# Altium PCB Main.PcbDoc (part 1 of 2) (continued)
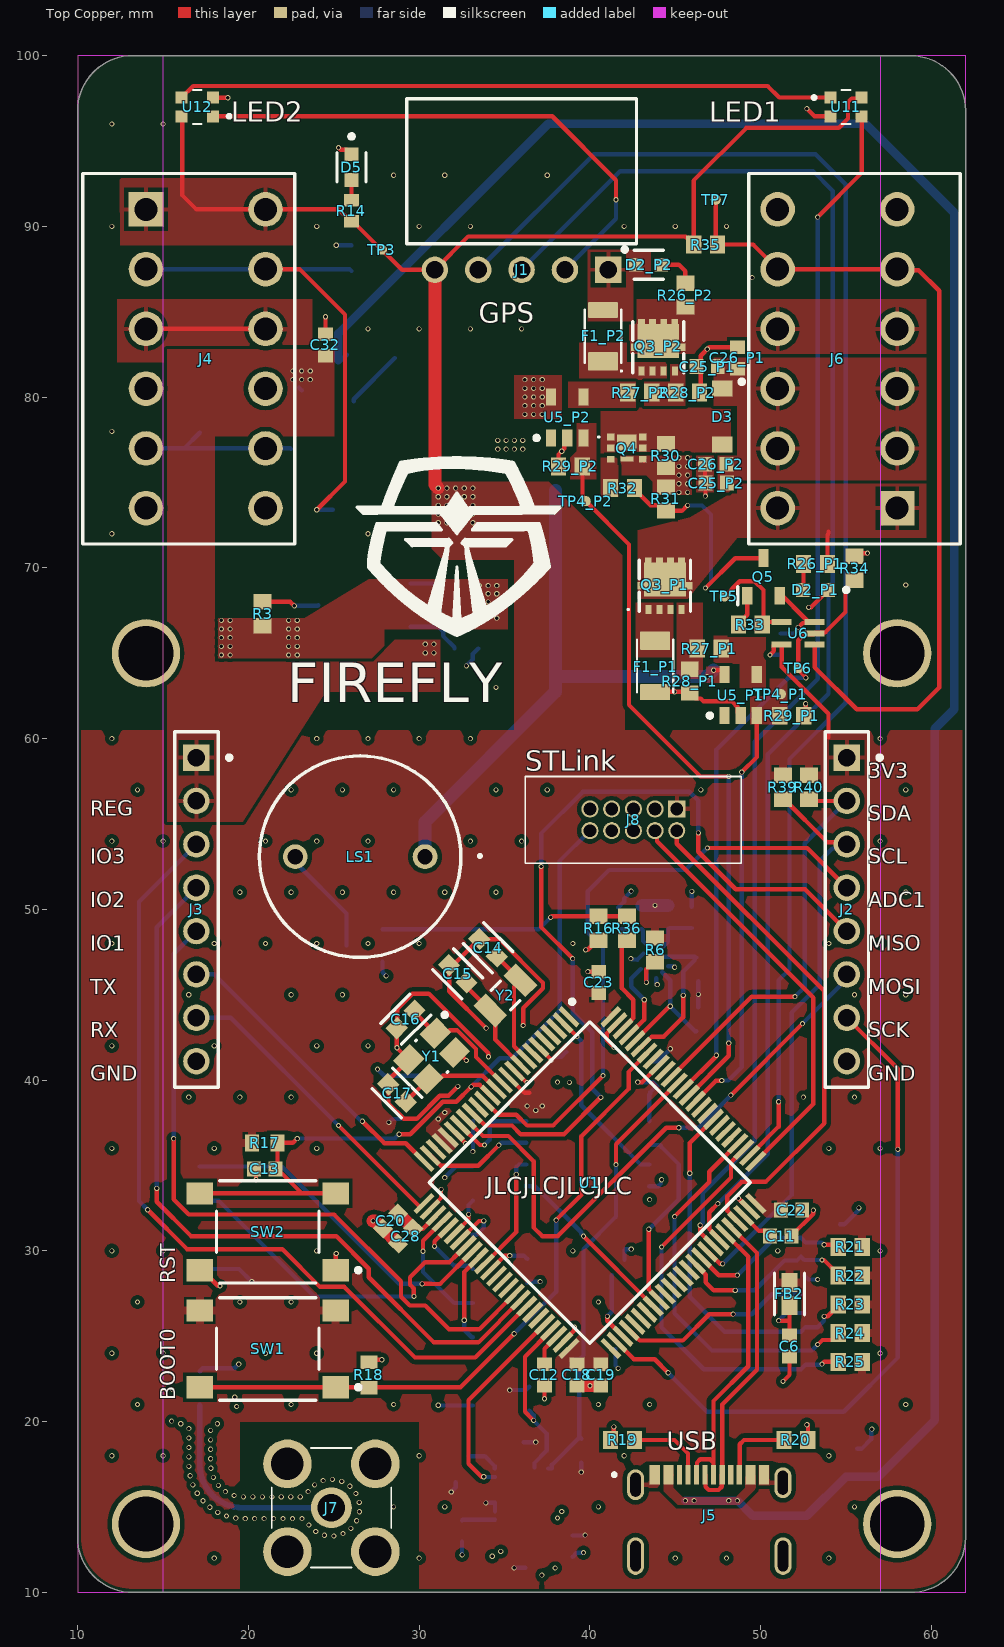
[diagram p0: Top Copper view]
## Components (designator, comment, footprint, x,y, rotation, side; value= is the part's Value field where it differs from the comment) (continued)
Q3_P2 "AON7544" AON7544 43.998,82.934 r0 top (schematic designator Q3)
Q4 "SSM6J507NU" SSM6J507NULF 42.164,77.018 r270 top
Q5 "PMBT3904,215" SOT95P230X110-3N 50.165,69.469 r90 top
R1 "Generic-Resistor" RESC1609X50X30ML8T20 31.623,68.961 r180 bottom value=10k
R2 "Generic-Resistor" RESC1609X50X30ML8T20 31.877,67.691 r180 bottom value=487k
R3 "Generic-Resistor" RESC1609X50X30ML8T20 20.828,67.31 r270 top value=10k
R4 "Generic-Resistor" RESC1609X50X30ML8T20 44.577,49.53 r90 bottom value=10R
R5 "Generic-Resistor" RESC1609X50X30ML8T20 43.044,49.53 r90 bottom value=10R
R6 "Generic-Resistor" RESC1609X50X30ML8T20 43.815,47.625 r90 top value=10k
R7 "Generic-Resistor" RESC1609X50X30ML8T20 32.512,17.145 r90 bottom value=2.2k
R8 "Generic-Resistor" RESC1609X50X30ML8T20 35.433,18.796 r180 bottom value=2.2k
R9 "Generic-Resistor" RESC1609X50X30ML8T20 46.355,43.561 r270 bottom value=2.2k
R10 "Generic-Resistor" RESC1609X50X30ML8T20 46.355,46.482 r90 bottom value=2.2k
R11 "Generic-Resistor" RESC1609X50X30ML8T20 39.497,18.288 r90 bottom value=2.2k
R12 "Generic-Resistor" RESC1609X50X30ML8T20 36.449,21.336 r270 bottom value=2.2k
R13 "Generic-Resistor" RESC1609X50X30ML8T20 43.688,40.386 r90 bottom value=10k
R14 "220R" FP-CRCW0603-e3-IPC_C 26.035,90.932 r270 top
R15 "10K" RESC1608X55X25ML10T15 26.035,88.138 r270 bottom value=10k
R16 "Generic-Resistor" RESC1609X50X30ML8T20 40.513,48.895 r90 top value=10k
R17 "0603WAF1002T5E" RESC1608X55X25ML10T15 20.955,36.322 r180 top value=10k
R18 "0603WAF1002T5E" RESC1608X55X25ML10T15 27.051,22.733 r270 top value=10k
R19 "Generic-Resistor" RESC1609X50X30ML8T20 41.91,18.923 r180 top value=5.1k
R20 "Generic-Resistor" RESC1609X50X30ML8T20 52.07,18.923 r0 top value=5.1k
R21 "Generic-Resistor" RESC1609X50X30ML8T20 55.245,30.226 r0 top value=10k
R22 "Generic-Resistor" RESC1609X50X30ML8T20 55.245,28.543 r0 top value=10k
R23 "Generic-Resistor" RESC1609X50X30ML8T20 55.245,26.86 r0 top value=10k
R24 "Generic-Resistor" RESC1609X50X30ML8T20 55.245,25.178 r0 top value=10k
R25 "Generic-Resistor" RESC1609X50X30ML8T20 55.245,23.495 r0 top value=10k
R26_P1 "Generic-Resistor" RESC1609X50X30ML8T20 53.213,70.231 r0 top value=43k (schematic designator R26)
R26_P2 "Generic-Resistor" RESC1609X50X30ML8T20 45.593,85.979 r270 top value=43k (schematic designator R26)
R27_P1 "Generic-Resistor" RESC1609X50X30ML8T20 46.99,65.278 r0 top value=270R (schematic designator R27)
R27_P2 "Generic-Resistor" RESC1609X50X30ML8T20 42.926,80.264 r180 top value=270R (schematic designator R27)
R28_P1 "Generic-Resistor" RESC1609X50X30ML8T20 45.847,63.373 r90 top value=10k (schematic designator R28)
R28_P2 "Generic-Resistor" RESC1609X50X30ML8T20 45.72,80.264 r180 top value=10k (schematic designator R28)
R29_P1 "Generic-Resistor" RESC1609X50X30ML8T20 51.816,61.341 r180 top value=10k (schematic designator R29)
R29_P2 "Generic-Resistor" RESC1609X50X30ML8T20 38.862,75.946 r0 top value=10k (schematic designator R29)
R30 "Generic-Resistor" RESC1609X50X30ML8T20 44.45,76.581 r90 top value=10k
R31 "Generic-Resistor" RESC1609X50X30ML8T20 44.45,74.041 r90 top value=10k
R32 "Generic-Resistor" RESC1609X50X30ML8T20 41.91,74.676 r0 top value=1k
R33 "Generic-Resistor" RESC1609X50X30ML8T20 49.403,66.675 r0 top value=1k
R34 "Generic-Resistor" RESC1609X50X30ML8T20 55.499,69.977 r270 top value=1k
R35 "Generic-Resistor" RESC1609X50X30ML8T20 46.776,88.942 r0 top value=10k
R36 "Generic-Resistor" RESC1609X50X30ML8T20 42.164,48.895 r90 top value=270R
R37 "Generic-Resistor" RESC1609X50X30ML8T20 32.766,65.278 r0 bottom value=100k
R38 "Generic-Resistor" RESC1609X50X30ML8T20 36.322,28.829 r90 bottom value=10k
R39 "Generic-Resistor" RESC1609X50X30ML8T20 51.308,57.15 r270 top value=2.2k
R40 "Generic-Resistor" RESC1609X50X30ML8T20 52.832,57.15 r270 top value=2.2k
RT2 "BSMD0603L-200" THRMC1608X95N 23.241,76.962 r0 bottom
SD1 "47352-1001" MOLX-473521001_V 48.7,25 r270 bottom
SW1 "PTS645SM43SMTR92LFS" CKCP-PTS645S_V 21.131,24.257 r180 top
SW2 "PTS645SM43SMTR92LFS" CKCP-PTS645S_V 21.131,31.115 r180 top
TP2 "TPAD6R" TP06R 28.575,82.296 r90 bottom
TP3 "TPAD6R" TP06R 27.813,88.646 r90 top
TP4_P1 "TPAD6R" TP06R 51.181,62.611 r90 top (schematic designator TP4)
TP4_P2 "TPAD6R" TP06R 39.751,73.914 r90 top (schematic designator TP4)
TP5 "TPAD6R" TP06R 47.879,68.326 r90 top
TP6 "TPAD6R" TP06R 52.197,64.135 r90 top
TP7 "TPAD6R" TP06R 47.371,91.567 r90 top
U1 "STM32F412VGT6" QFP50P1600X1600X160-100N 40,34 r315 top locked
U2 "LoRa-CC68-868-TCXO" LoRa-CC68-868-TCXO-Footprint-1 25.146,27.94 r180 bottom locked
U3 "TPS7333QDR" D0008A_L 27.559,74.041 r0 bottom
U4 "W25Q128JVSIQ" SOIC127P790X216-8N 39.878,35.687 r180 bottom
U5_P1 "TF0216-USQ" SOT95P245X110-5N 48.829,62.554 r90 top (schematic designator U5)
U5_P2 "TF0216-USQ" SOT95P245X110-5N 38.674,78.81 r90 top (schematic designator U5)
U6 "TC7S08FU,LF" SOT65P210X110-5N 52.197,66.167 r180 top
U7 "BNO085" FP-BNO085-MFG 36,15 r0 bottom locked
U8 "BMP581" BMP581 43.688,46.863 r225 bottom
U11 "WS2812-2020" LED_WS2812-2020 55,97 r180 top
U12 "WS2812-2020" LED_WS2812-2020 17,97 r0 top
Y1 "NX3225GA-16.000M-STD-CRG-2" FP-NX3225GA-MFG 30.734,41.402 r225 top value=8pF
Y2 "NX3215SA-32.768kHz-EXS00A-MU00202" FP-NX3215SA-MFG 35.052,44.958 r225 top value=7pF

## Footprints (in the part's own frame and the unit in brackets; to place one, negate y for a bottom-side part, rotate by r counter-clockwise, add the part's x,y. Pads: shape width x height; smd on the part's side, far side on the other; paste and mask are expansions set on the pad)
2002151100010T4LF [mm]
  rect 1x1 hole 0.75: 1(0,0)
  round 1 hole 0.75: 2(0,1.27) 3(1.27,0) 4(1.27,1.27) 5(2.54,0) 6(2.54,1.27) 7(3.81,0) 8(3.81,1.27) 9(5.08,0) 10(5.08,1.27)
  silkscreen extent -3.78,-1.91 8.86,3.18, body extent -3.78,-1.92 8.86,3.18, height 5.28
AON7544 [mm]
  rect 0.35x0.5 smd: 1(-0.975,-1.4) 2(-0.325,-1.4) 3(0.325,-1.4) 4(0.975,-1.4)
  rect 0.4x0.3 smd: 5(0.975,1.5) 6(0.325,1.5) 7(-0.325,1.5) 8(-0.975,1.5)
  rect 0.38x0.43 smd: 9(-1.415,0) 11(1.415,0)
  rect 2.45x1.98 smd: 10(0,0.36)
  silkscreen extent -2.2,-1.5 1.5,1.5, body extent -1.57,-1.62 1.57,1.62, height 1
BMP581 [mm]
  rect 0.325x0.3 smd: 1(-0.75,0.25) 2(-0.75,-0.25) 6(0.75,-0.25) 7(0.75,0.25)
  rect 0.3x0.325 smd: 3(-0.5,-0.775) 4(0,-0.775) 5(0.5,-0.775) 8(0.5,0.775) 9(0,0.775) 10(-0.5,0.775)
  silkscreen extent -1.7,0.2 -1.6,0.3, body extent -1,-1 1,1, height 0.8
CAPPM3528X210N [mm]
  rect 1.8x2.3 smd: 1(-1.45,0) 2(1.45,0)
  silkscreen extent -2.35,-1.43 1.75,1.43, body extent -1.75,-1.43 1.75,1.43, height 2.1
CKCP-PTS645S_V [mm] "THD, 4-Leads, Body 6x6mm, Pitch 4.5mm"
  rect 1.55x1.3 smd: 1(-3.975,2.25) 2(3.975,2.25) 3(-3.975,-2.25) 4(3.975,-2.25)
  silkscreen extent -5.43,-3 3,3, body extent -4.5,-3 4.5,3, height 4.3
D0008A_L [mm] "SOIC, 8-Leads, Body 5x4mm, Pitch 1.27mm, IPC High Density"
  rrect18% 1.25x0.55 smd: 1(-2.625,1.905) 2(-2.625,0.635) 3(-2.625,-0.635) 4(-2.625,-1.905) 5(2.625,-1.905) 6(2.625,-0.635) 7(2.625,0.635) 8(2.625,1.905)
  silkscreen extent -2.75,-2.5 1.6,2.85, body extent -3,-2.45 3,2.45, height 1.63
FP-0603-L_1_6_0_15-W_0_81-IPC_C [mm]
  rect 0.807x0.868 smd paste+0 mask+0: 1(-0.626,0) 2(0.626,0)
  body extent -0.8,-0.41 0.8,0.41, height 0.9
FP-BLM18-0_15-0_1-t0_6-IPC_B [mm]
  rect 1.106x0.958 smd paste+0 mask+0: 1(-0.676,0) 2(0.676,0)
  silkscreen extent -1.23,-0.88 1.23,0.88, body extent -0.8,-0.4 0.8,0.4, height 0.7
FP-BNO085-MFG [mm]
  rect 0.675x0.25 smd paste+0 mask+0: 1(1.562,2.25) 6(-1.562,2.25) 7(-1.562,1.75) 8(-1.562,1.25) 9(-1.562,0.75) 10(-1.562,0.25) 11(-1.562,-0.25) 12(-1.562,-0.75) 13(-1.562,-1.25) 14(-1.562,-1.75) 15(-1.562,-2.25) 20(1.562,-2.25) 21(1.562,-1.75) 22(1.562,-1.25) 23(1.562,-0.75) 24(1.562,-0.25) 25(1.562,0.25) 26(1.562,0.75) 27(1.562,1.25) 28(1.562,1.75)
  rect 0.25x0.575 smd paste+0 mask+0: 2(0.75,2.312) 3(0.25,2.312) 4(-0.25,2.312) 5(-0.75,2.312) 16(-0.75,-2.312) 17(-0.25,-2.312) 18(0.25,-2.312) 19(0.75,-2.312)
  silkscreen extent -2.3,-3.08 2.86,3.95, body extent -1.9,-2.6 1.9,2.6, height 1.18
FP-CL10-IPC_B [mm]
  rect 0.958x0.912 smd paste+0 mask+0: 1(-0.727,0) 2(0.727,0)
  silkscreen extent -1.21,-0.86 1.21,0.86, body extent -1.46,-0.71 1.46,0.71, height 0.25
FP-CRCW0603-e3-IPC_C [mm]
  rect 0.735x0.862 smd paste+0 mask+0: 1(-0.615,0) 2(0.615,0)
  body extent -0.77,-0.43 0.77,0.43, height 0.5
FP-LTST-C190GKT-MFG [mm]
  rect 0.8x0.8 smd paste+0 mask+0: 1(-0.75,0) 2(0.75,0)
  silkscreen extent -1.92,-0.12 -1.68,0.12, body extent -1.25,-0.55 1.25,0.55, height 0.25
FP-NX3215SA-MFG [mm]
  rect 1x1.8 smd paste+0 mask+0: 1(-1.25,0) 2(1.25,0)
  silkscreen extent -0.38,-0.8 0.38,0.8, body extent -1.85,-1 1.85,1, height 0.25
FP-NX3225GA-MFG [mm]
  rect 1.4x1.2 smd paste+0 mask+0: 1(-1.1,-0.8) 2(1.1,-0.8) 3(1.1,0.8) 4(-1.1,0.8)
  silkscreen extent -2.37,-1.3 0.03,1.3, body extent -1.9,-1.5 1.9,1.5, height 0.25
FP-SOT23-IPC_C [mm]
  rect 1.205x0.532 smd paste+0 mask+0: 1(-1.05,0.95)
  rrect100% 1.205x0.532 smd paste+0 mask+0: 2(-1.05,-0.95) 3(1.05,0)
  silkscreen extent 0,-1.45 0.8,1.45, body extent -1.41,-1.45 1.41,1.45, height 1.25
KXG1203C [mm]
  round 1.45 hole 0.9: 1(0,-3.8) 2(0,3.8)
  silkscreen extent -5.9,-7.1 5.9,5.9, body extent -5.99,-6 5.99,6, height 9.5
LED_WS2812-2020 [mm]
  rect 0.7x0.7 smd: 1(0.915,-0.55) 2(0.915,0.55) 3(-0.915,0.55) 4(-0.915,-0.55)
  silkscreen extent -0.25,-1 1.97,1, body extent -1.1,-1 1.1,1, height 0.84
LoRa-CC68-868-TCXO-Footprint-1 [mm]
  oval 3.4x1.2 smd: 1(-8,7) 2(-8,5) 3(-8,3) 4(-8,1) 5(-8,-1) 6(-8,-3) 7(-8,-5) 8(-8,-7) 9(8,-7) 10(8,-5) 11(8,-3) 12(8,-1) 13(8,1) 14(8,3) 15(8,5) 16(8,7)
  silkscreen extent -8,-8.3 8,8.3, body extent -8,-8 8,8, height 2.1
MCC-SOD123_V [mil] "SOD123, 2-Leads, Body 2.7x1.6mm, Height 1.35mm"
  rect 35.98x47.99 smd: 1(-64.5,0) 2(64.5,0)
  silkscreen extent 75,-50 85,-40, body extent -53,-31 53,31, height 53
MCC-SOD-123FL_V [mil] "SODFL, 2-Leads, Body 3.1x1.9mm"
  rect 36x48 smd: 1(-64.5,0) 2(64.5,0)
  silkscreen extent 102,-32 102,32, body extent -73,-37 73,37, height 47
MOLX-473521001_V [mm] "SMD, 8-Leads, Body 15.2x14mm, Pitch 1.1mm"
  rect 0.8x1.5 smd: 1(1.94,-3.66) 2(0.84,-3.26) 3(-0.26,-3.66) 4(-1.36,-3.86) 5(-2.46,-3.66) 6(-3.56,-3.86) 7(-4.66,-3.66) 8(-5.76,-3.66)
  rect 1x0.95 smd: 9(-3.56,7.425)
  rect 1.3x1.4 smd: 10(-4.95,7.2) 11(0.75,7.2)
  rect 1.4x1.9 smd: 12(6.6,-6.95) 13(-6.55,-5.95)
  silkscreen extent -7,-7.6 7.77,7.6, body extent -7.05,-7.6 7.05,7.6, height 1.85
PCBSMAFRAHT [mm]
  round 2.4 hole 1.6: 1(0,0)
  round 2.85 hole 1.9: 2(-2.575,2.575) 3(-2.575,-2.575) 4(2.575,-2.575) 5(2.575,2.575)
  silkscreen extent -3.5,-3.5 3.5,3.5, body extent -10,-3.38 10,3.38, height 5.8
QFP50P1600X1600X160-100N [mm]
  rect 1.475x0.3 smd: 1(-7.738,6) 2(-7.738,5.5) 3(-7.738,5) 4(-7.738,4.5) 5(-7.738,4) 6(-7.738,3.5) 7(-7.738,3) 8(-7.738,2.5) 9(-7.738,2) 10(-7.738,1.5) 11(-7.738,1) 12(-7.738,0.5) 13(-7.738,0) 14(-7.738,-0.5) 15(-7.738,-1) 16(-7.738,-1.5) 17(-7.738,-2) 18(-7.738,-2.5) 19(-7.738,-3) 20(-7.738,-3.5) 21(-7.738,-4) 22(-7.738,-4.5) 23(-7.738,-5) 24(-7.738,-5.5) 25(-7.738,-6) 51(7.738,-6) 52(7.738,-5.5) 53(7.738,-5) 54(7.738,-4.5) 55(7.738,-4) 56(7.738,-3.5) 57(7.738,-3) 58(7.738,-2.5) 59(7.738,-2) 60(7.738,-1.5) 61(7.738,-1) 62(7.738,-0.5) 63(7.738,0) 64(7.738,0.5) 65(7.738,1) 66(7.738,1.5) 67(7.738,2) 68(7.738,2.5) 69(7.738,3) 70(7.738,3.5) 71(7.738,4) 72(7.738,4.5) 73(7.738,5) 74(7.738,5.5) 75(7.738,6)
  rect 0.3x1.475 smd: 26(-6,-7.738) 27(-5.5,-7.738) 28(-5,-7.738) 29(-4.5,-7.738) 30(-4,-7.738) 31(-3.5,-7.738) 32(-3,-7.738) 33(-2.5,-7.738) 34(-2,-7.738) 35(-1.5,-7.738) 36(-1,-7.738) 37(-0.5,-7.738) 38(0,-7.738) 39(0.5,-7.738) 40(1,-7.738) 41(1.5,-7.738) 42(2,-7.738) 43(2.5,-7.738) 44(3,-7.738) 45(3.5,-7.738) 46(4,-7.738) 47(4.5,-7.738) 48(5,-7.738) 49(5.5,-7.738) 50(6,-7.738) 76(6,7.738) 77(5.5,7.738) 78(5,7.738) 79(4.5,7.738) 80(4,7.738) 81(3.5,7.738) 82(3,7.738) 83(2.5,7.738) 84(2,7.738) 85(1.5,7.738) 86(1,7.738) 87(0.5,7.738) 88(0,7.738) 89(-0.5,7.738) 90(-1,7.738) 91(-1.5,7.738) 92(-2,7.738) 93(-2.5,7.738) 94(-3,7.738) 95(-3.5,7.738) 96(-4,7.738) 97(-4.5,7.738) 98(-5,7.738) 99(-5.5,7.738) 100(-6,7.738)
  silkscreen extent -8.35,-6.65 6.65,6.87, body extent -10,-3.38 10,3.38, height 5.8
RESC1608X55X25ML10T15 [mm] "Chip Resistor, 2-Leads, Body 1.60x0.80mm, IPC Low Density"
  rect 0.8x1 smd: 1(-0.75,0) 2(0.75,0)
  body extent -0.85,-0.45 0.85,0.45, height 0.55
RESC1609X50X30ML8T20 [mm] "Chip Resistor, 2-Leads, Body 1.65x0.95mm, IPC Low Density"
  rect 0.9x1.05 smd: 1(-0.7,0) 2(0.7,0)
  body extent -0.82,-0.48 0.82,0.48, height 0.5
RESC3115X65N [mm]
  rrect14% 1.09x1.77 smd: 1(-1.465,0)
  rrect14% 0.94x1.77 smd: 2(1.54,0)
  silkscreen extent -1.55,-1.06 1.55,1.06
SHDR12W80P700X350_2X6_2170X1400X850P [mm]
  rect 2.025x2.025 hole 1.35: 1(0,0)
  round 2.025 hole 1.35: 2(0,7) 3(3.5,0) 4(3.5,7) 5(7,0) 6(7,7) 7(10.5,0) 8(10.5,7) 9(14,0) 10(14,7) 11(17.5,0) 12(17.5,7)
  silkscreen extent -2.1,-3.7 19.6,8.7, body extent -2.1,-5.68 19.6,8.62, height 8.39
SLIN-PPPC081LFBN-RC_V [mm] "THD, 8-Leads, Body 20.82x2.54mm, Pitch 2.54mm"
  rect 1.55x1.55 hole 1.02: 1(-8.89,0)
  round 1.55 hole 1.02: 2(-6.35,0) 3(-3.81,0) 4(-1.27,0) 5(1.27,0) 6(3.81,0) 7(6.35,0) 8(8.89,0)
  silkscreen extent -10.41,-1.27 10.41,2.05, body extent -10.41,-1.27 10.41,1.27, height 8.5
SMTC-SSQ-105-02-X-S-RA [mm] "SQ Post Socket, 1x5 Pins, Right Angle, 2.54mm Pitch, Female"
  rect 1.55x1.55 hole 1.02: 1(0,0)
  round 1.55 hole 1.02: 2(2.54,0) 3(5.08,0) 4(7.62,0) 5(10.16,0)
  silkscreen extent -1.65,-10.03 11.81,-1.52, body extent -1.52,-10.03 11.68,0.32, height 2.41
SOIC127P600X175-8N [mm]
  rect 1.528x0.65 smd: 1(-2.711,1.905) 2(-2.711,0.635) 3(-2.711,-0.635) 4(-2.711,-1.905) 5(2.711,-1.905) 6(2.711,-0.635) 7(2.711,0.635) 8(2.711,1.905)
  silkscreen extent -3.47,-2.45 1.6,2.58, body extent -3.01,-2.45 3.01,2.45, height 1.63
SOIC127P790X216-8N [mm]
  rrect25% 1.61x0.58 smd: 1(-3.605,1.905) 2(-3.605,0.635) 3(-3.605,-0.635) 4(-3.605,-1.905) 5(3.605,-1.905) 6(3.605,-0.635) 7(3.605,0.635) 8(3.605,1.905)
  silkscreen extent -5.32,-2.64 2.64,2.64, body extent -3.95,-2.64 3.95,2.64, height 2.16
SOT65P210X110-5N [mil]
  rect 46x14 smd: 1(-38,26) 2(-38,0) 3(-38,-26) 4(38,-26) 5(38,26)
  body extent -42,-39 42,39, height 43
SOT95P230X110-3N [mm]
  rect 1.05x0.6 smd: 1(-1.1,0.95) 2(-1.1,-0.95) 3(1.1,0)
  silkscreen extent -1.63,1.5 -0.58,1.5, body extent -1.2,-1.45 1.2,1.45, height 0.95
SOT95P245X110-5N [mm] "SOT23, 5-Leads, Body 2.90x2.45mm, Pitch 0.95mm, IPC Medium Density"
  rect 1x0.6 smd: 1(-1.2,0.95) 2(-1.2,0) 3(-1.2,-0.95) 4(1.2,-0.95) 5(1.2,0.95)
  silkscreen extent -1.32,1.68 -1.08,1.92, body extent -0.7,-1.5 0.7,1.5, height 1.1
SSM6J507NULF [mm]
  rect 0.4x0.425 smd: 1(-0.65,-0.938) 2(0,-0.938) 3(0.65,-0.938) 4(0.65,0.938) 5(0,0.938) 6(-0.65,0.938)
  rect 0.95x1.15 smd: 7(-0.325,0)
  rect 0.3x0.75 smd: 8(0.65,0)
  silkscreen extent -0.7,-1.7 -0.6,-1.6, body extent -1,-1.11 1,1.11, height 0.9
THRMC1608X95N [mm]
  rect 0.98x0.97 smd: 1(-0.745,0) 2(0.745,0)
  body extent -0.8,-0.4 0.8,0.4, height 0.45
TP06R [mm] "Testpoint, round, d=0.6mm"
  round 0.6 smd paste-1: 1(0,0)
VALCON_CSP-USC16-TR [mm]
  rect 0.3x1.14 smd: A1(-3.35,0) A4(-2.55,0) A5(-1.25,0) A6(-0.25,0) A7(0.25,0) A8(1.25,0) A9(2.55,0) A12(3.35,0) B1(3.05,0) B4(2.25,0) B5(1.75,0) B6(0.75,0) B7(-0.75,0) B8(-1.75,0) B9(-2.25,0) B12(-3.05,0)
  oval 1x1.8 hole 0.6 slot 1.4 at 90 deg: S1(-4.325,-0.59) S2(4.302,-0.471)
  oval 1x2.2 hole 0.6 slot 1.8 at 90 deg: S3(-4.325,-4.77) S4(4.311,-4.77)
  silkscreen extent -5.67,-0.1 -5.48,0.1, body extent -4.47,-7.42 4.47,0.33, height 3.26

## Part data
B1: library part CMP-086-000000-1, "5V and Adjustable Micropower LDOs", LCSC Part #=C7989, Manufacturer_Name="Texas Instruments", Manufacturer_Part_Number=LP2954IMX/NOPB, Mouser Part Number=926-LP2954IMX/NOPB, Datasheet Link=http://www.ti.com/lit/gpn/LP2954, Design Item ID=LP2954IMX_NOPB, Geometry.Height=1.75mm, Mouser Price/Stock=https://www.mouser.co.uk/ProductDetail/Texas-Instruments/LP2954IMX-NOPB?qs=7lkVKPoqpbZZvpkFdRlvsg%3D%3D, Source=LP2954IMX_NOPB.SchLib
C1 C31: library part CMP-054-000000-2, "AVX Electrolytic Capacitor 22uF 10V dc Electrolytic Solid +/-10% Tolerance TPS Series", Capacitance=22uF, LCSC Part #=C400102, Manufacturer_Name=AVX, Mouser Part Number=581-TPSB226K010R0500, Datasheet Link=https://componentsearchengine.com/Datasheets/1/TPSB226K010R0500.pdf, Design Item ID=TPSB226K010R0500, Geometry.Height=2.1mm, Manufacturer_Part_Number=TPSB226K010R0500, Mouser Price/Stock=https://www.mouser.com/Search/Refine.aspx?Keyword=581-TPSB226K010R0500, Source=TPSB226K010R0500.SchLib
C2 C3 C4 C5 C6 C7 C8 C9 C13 C19 C20 C21 C22 C23 C24 C27 C28 C29: library part CMP-001-00088-6, "Generic 0603 Capacitor", Case Code (Imperial)=0603, Dielectric=X7R, LCSC Part #=C14663, Tolerance=10%, Voltage Rating=50V, ESR=0R
C10 C32: library part CMP-001-00088-6, "Generic 0603 Capacitor", Case Code (Imperial)=0603, Dielectric=X7R, LCSC Part #=C15849, Tolerance=10%, Voltage Rating=50V, ESR=0R
C11 C12: library part CMP-001-00088-6, "Generic 0603 Capacitor", Case Code (Imperial)=0603, Dielectric=X7R, LCSC Part #=C1604, Tolerance=10%, Voltage Rating=50V, ESR=<2R
C14 C15: library part CMP-001-00086-2, "50V 4.3pF C0G ±0.25pF 0603 Multilayer Ceramic Capacitors MLCC - SMD/SMT ROHS", LCSC Part #=C59526
C16 C17: library part CMP-001-00087-1, "CAP CER 6PF 50V C0G/NP0 0603", LCSC Part #=C37474
C18: library part CMP-001-00088-6, "Generic 0603 Capacitor", Case Code (Imperial)=0603, Dielectric=X7R, LCSC Part #=C53987, Tolerance=10%, Voltage Rating=50V, ESR=0R
C25_P1 C25_P2 C26_P1 C26_P2: library part CMP-001-00088-6, "Generic 0603 Capacitor", Case Code (Imperial)=0603, Dielectric=X7R, LCSC Part #=C21122, Tolerance=10%, Voltage Rating=50V, ESR=0R
C30: library part CMP-001-00088-6, "Generic 0603 Capacitor", Case Code (Imperial)=0603, Dielectric=X7R, LCSC Part #=C14858, Tolerance=10%, Voltage Rating=50V, ESR=0R
D1 D4: library part CMP-004-00034-1, "DIODE GEN PURP 1KV 1A SOD123FL", LCSC Part #=C64898
D2_P1 D2_P2 D5: library part CMP-00026-00001-1, "SZYY0603R", LCSC Part #=C434419
D3: library part CMP-004-00005-3, "Schottky Barrier Rectifier, 40 V, 1 A, -65 to 125 degC, 2-Pin SOD123, RoHS, Tape and Reel", Case/Package=SOD123, LCSC Part #=C8598, Manufacturer="Micro Commercial Components", Package Description="2-Pin Small Outline Diode, Body 2.7 x 1.6 mm, Height 1.35 mm", Datasheet URL=http://www.mccsemi.com/up_pdf/B5817W-B5819W(SOD-123).pdf, Datasheet Version="Rev. B, 01/2013", Manufacturer URL=http://www.mccsemi.com/, Mounting Technology=SM, Package Reference=SOD123, Package URL=http://www.mccsemi.com/up_pdf/1N4448W(SOD-123).pdf, RoHS Compliant=Unknown
F1_P1 F1_P2: library part ASMD1206-075-30V, "Polymeric PTC Resettable Fuse 30V 0.75A Surface Mount 1206", ComponentLink1Description=Datasheet, ComponentLink1URL=https://datasheet.lcsc.com/lcsc/2204011730_Shenzhen-JDT-Fuse-ASMD1206-075-30V_C2982268.pdf, Unit Price=0.0525
FB1 FB2: library part CMP-006-00021-1, "0603 600Ω ±25% DCR=0.45Ω 0.2A", LCSC Part #=C1002
J1: library part CMP-002-00078-1, "Headers & Wire Housings Tiger Buy Socket Strip with Square Tails, 0.100 Pitch"
J2 J3: library part CMP-002-00028-2, "Female Header, Pitch 2.54 mm, 1 x 8 Position, Height 8.5 mm, Tail Length 3.2 mm, -40 to 105 degC, RoHS, Bulk", Manufacturer=Sullins, Max Operating Temperature=105°C, Min Operating Temperature=-40°C, Package Description="Female Header, Pitch 2.54 mm, 1 x 8 Position, Height 8.5 mm, Tail Length 3.2 mm", Case/Package=PPPC081LFBN-RC, Connector Type=Header, Datasheet URL=http://sullinscorp.com/catalogs/101_PAGE114-115_.100_FEMALE_HDR.pdf, Datasheet Version=Jan-15, Gender=Female, Mounting Technology=TH, Package Reference=PPPC081LFBN-RC, RoHS Compliant=Unknown
J4 J6: library part CMP-062-000000-2, "Printed circuit board terminals, 3.50 mm, Number of poles: 6, 90, Solder pin length: 3.5 mm, black, PUSH IN with actuator, Clamping range, max. [rated connection]: 1.5 mm, Tube", Manufacturer_Name=Weidmuller, Mouser Part Number=470-1824460000, Datasheet Link=http://catalog.weidmueller.com/createDatasheetForMobile.do?ordernumber=1824460000&scope1=1&scope2=1&localeId=en, Design Item ID=1824460000, Geometry.Height=8.5mm, Manufacturer_Part_Number=1824460000, Mouser Price/Stock=https://www.mouser.co.uk/ProductDetail/Weidmuller/1824460000?qs=WJDKaGZ8K%252B6qGfZkM4Ritg%3D%3D, Source=1824460000.SchLib
J5: library part CMP-042-000000-3, "YTC-TC16S-23 USB Type C Surface Mount PCB Socket 3A", LCSC Part #=C2927300, Availability="In Stock", Design Item ID=CSP-USC16-TR, MP=CSP-USC16-TR, Pin Count=20
J7: library part CMP-070-000000-1, "RF Connectors / Coaxial Connectors SMA RA PCB Mount, Jack, Gold, 50 , Through Hole Pin", Manufacturer_Name=Taoglas, Mouser Part Number=960-PCB.SMAFRA.HT, Design Item ID=PCB.SMAFRA.HT, Geometry.Height=9mm, Manufacturer_Part_Number=PCB.SMAFRA.HT, Mouser Price/Stock=https://www.mouser.co.uk/ProductDetail/Taoglas/PCB.SMAFRA.HT?qs=RuW%2Fu%252BNMQmubIFYcN8w5Dw%3D%3D, Source=PCB.SMAFRA.HT.SchLib
J8: library part CMP-003-000001-3, "1.27mm (0.05in.) pitch, Shrouded header, 10 contacts", Manufacturer_Name="Amphenol Communications Solutions", Mouser Part Number=649-221511-00010T4LF, Datasheet Link=https://cdn.amphenol-cs.com/media/wysiwyg/files/drawing/20021511.pdf, Design Item ID=20021511-00010T4LF, Geometry.Height=5.65mm, Manufacturer_Part_Number=20021511-00010T4LF, Mouser Price/Stock=https://www.mouser.co.uk/ProductDetail/Amphenol-FCI/20021511-00010T4LF?qs=oJs1R%252BxK6kSq16VF%2F5iyPQ%3D%3D, Source=20021511-00010T4LF.SchLib
LS1: library part CMP-059-000000-1, "Kingstate 5V dc PCB Mount Electromagnetic Buzzer", Manufacturer_Name=KINGSTATE, RS Part Number=7716957P, Datasheet Link=http://uk.rs-online.com/web/p/products/7716957P, Design Item ID=KXG1203C, Height=9.5mm, Manufacturer_Part_Number=KXG1203C, RS Price/Stock=http://uk.rs-online.com/web/p/products/7716957P, Source=SamacSys.SchLib
Q1: library part CMP-013-00038-1, "N沟道 VDS=30V VGS=±12V ID=5.7A P=1.4W", LCSC Part #=C20917
Q3_P1 Q3_P2: library part CMP-089-000000-2, "MOSFET N Trench 30V 30A(Tc) 2.2V @ 250uA 5 m @ 20A,10V DFN-8_3x3 EP RoHS", LCSC Part #=C315567, Manufacturer_Name="Alpha & Omega Semiconductors", Datasheet Link=https://datasheet.lcsc.com/lcsc/1912111437_Alpha---Omega-Semicon-AON7544_C315567.pdf, Design Item ID=AON7544, Geometry.Height=0.9mm, Manufacturer_Part_Number=AON7544, Source=AON7544.SchLib
Q4: library part CMP-013-000003-10, "MOSFET Small Signal MOSFET V=30V", LCSC Part #=C146318, Manufacturer_Name=Toshiba, Manufacturer_Part_Number=SSM6J507NU,LF, Mouser Part Number=757-SSM6J507NULF, Datasheet Link=https://toshiba.semicon-storage.com/info/SSM6J507NU_datasheet_en_20151110.pdf?did=30372&prodName=SSM6J507NU, Design Item ID=SSM6J507NU,LF, Height=0.8mm, Mouser Price/Stock=https://www.mouser.co.uk/ProductDetail/Toshiba/SSM6J507NULF?qs=YeFsEeYZIJmLsTAyWirtAw%3D%3D, Source=SamacSys.SchLib
Q5: library part CMP-013-000004-1, "PMBT3904 - NPN switching transistor", LCSC Part #=C8667, Manufacturer_Name=Nexperia, Mouser Part Number=771-PMBT3904-T/R, Arrow Part Number=PMBT3904,215, Arrow Price/Stock=https://www.arrow.com/en/products/pmbt3904215/nexperia?region=europe, Datasheet Link=https://assets.nexperia.com/documents/data-sheet/PMBT3904.pdf, Design Item ID=PMBT3904,215, Height=1.1mm, Manufacturer_Part_Number=PMBT3904,215, Mouser Price/Stock=https://www.mouser.co.uk/ProductDetail/Nexperia/PMBT3904215?qs=LOCUfHb8d9tXximHEgx1nw%3D%3D, Source=SamacSys.SchLib
R1 R3 R6 R13 R16 R21 R22 R23 R24 R25 R28_P1 R28_P2 R29_P1 R29_P2 R30 R31 R35 R38: library part CMP-009-00185-4, "Generic 0603 Resistor", Case Code (Imperial)=0603, Case Code (Metric)=1608, LCSC Part #=C25804, Power Rating=100mW, Tolerance=0%, Voltage Rating=75V
R2: library part CMP-009-00185-4, "Generic 0603 Resistor", Case Code (Imperial)=0603, Case Code (Metric)=1608, LCSC Part #=C2930107, Power Rating=100mW, Tolerance=1%, Voltage Rating=75V
R4 R5: library part CMP-009-00185-4, "Generic 0603 Resistor", Case Code (Imperial)=0603, Case Code (Metric)=1608, LCSC Part #=C22859, Power Rating=100mW, Tolerance=0%, Voltage Rating=75V
R7 R8 R9 R10 R11 R12 R39 R40: library part CMP-009-00185-4, "Generic 0603 Resistor", Case Code (Imperial)=0603, Case Code (Metric)=1608, LCSC Part #=C4190, Power Rating=100mW, Tolerance=0%, Voltage Rating=75V
R14: library part 0603WAF220JT5E-2, "Res Thick Film 0603 220 Ohm 1% 1/10W ±100ppm/°C Molded SMD SMD Paper T/R", LCSC Part #=C22962, Power Rating=100mW, Resistance Tolerance=1%, Voltage Rating=75V, Resistance=220R
R15 R17 R18: library part CMP-009-00177-3, "±1% 1/10W Thick Film Resistors 75V ±100ppm/℃ -55℃~+155℃ 10kΩ 0603 Chip Resistor - Surface Mount ROHS", LCSC Part #=C25804
R19 R20: library part CMP-009-00185-4, "Generic 0603 Resistor", Case Code (Imperial)=0603, Case Code (Metric)=1608, LCSC Part #=C23186, Power Rating=100mW, Tolerance=0%, Voltage Rating=75V
R26_P1 R26_P2: library part CMP-009-00185-4, "Generic 0603 Resistor", Case Code (Imperial)=0603, Case Code (Metric)=1608, LCSC Part #=C23172, Power Rating=100mW, Tolerance=0%, Voltage Rating=75V
R27_P1 R27_P2 R36: library part CMP-009-00185-4, "Generic 0603 Resistor", Case Code (Imperial)=0603, Case Code (Metric)=1608, LCSC Part #=C22966, Power Rating=100mW, Tolerance=0%, Voltage Rating=75V
R32 R33 R34: library part CMP-009-00185-4, "Generic 0603 Resistor", Case Code (Imperial)=0603, Case Code (Metric)=1608, LCSC Part #=C21190, Power Rating=100mW, Tolerance=0%, Voltage Rating=75V
R37: library part CMP-009-00185-4, "Generic 0603 Resistor", Case Code (Imperial)=0603, Case Code (Metric)=1608, LCSC Part #=C25803, Power Rating=100mW, Tolerance=1%, Voltage Rating=75V
RT2: library part CMP-038-000000-2, "PTC Resettable Fuse: 2A Hold, 4A Trip, 0603", Hold Current=2A, LCSC Part #=C2757930, Package=0603, Trip Current=4A, Availability=Unavailable, Component Type=Standard, Design Item ID=BSMD0603L-200, MP=BSMD0603L-200, Pin Count=2
SD1: library part CMP-002-00077-1, "Conn Micro SD Card HDR 8 POS 1.1mm Solder RA SMD Embossed T/R 0.5A/Contact", LCSC Part #=C293569
SW1 SW2: library part CMP-011-00016-1, "Switch Tactile N.O. SPST Round Button Gull Wing 0.05A 12VDC 100000Cycles 1.57N SMD T/R", LCSC Part #=C221880
TP2 TP3 TP4_P1 TP4_P2 TP5 TP6 TP7: library part CMP-00028-00002-2, "0.6mm round", Pins=1
U1: library part CMP-028-000000-1, "STMICROELECTRONICS - STM32F412VGT6 - ARM MCU, STM32 Family STM32F4 Series Microcontrollers, ARM Cortex-M4F, 32bit, 100 MHz, 1 MB, 256 KB", LCSC Part #=C727951, Manufacturer_Name=STMicroelectronics, Mouser Part Number=511-STM32F412VGT6, Package=100-LQFP, Datasheet Link=https://4donline.ihs.com/images/VipMasterIC/IC/SGST/SGST-S-A0004202317/SGST-S-A0004202317-1.pdf?hkey=6D3A4C79FDBF58556ACFDE234799DDF0, Design Item ID=STM32F412VGT6, Geometry.Height=1.6mm, Manufacturer_Part_Number=STM32F412VGT6, Mouser Price/Stock=https://www.mouser.co.uk/ProductDetail/STMicroelectronics/STM32F412VGT6/?qs=qzCNEk%252BRr%252BaGf9Ry5zWpvw%3D%3D, Source=STM32F412VGT6.SchLib
U2: library part CMP-00025-00003-3, "LoRa-CC68 targeting 868MHz and with a TXCO"
U3: library part CMP-019-00052-1, "IC REG LDO 3.3V 0.5A 8SOIC", LCSC Part #=C23791
U4: library part CMP-040-000000-2, "FLASH - NOR Memory IC 128Mb (16M x 8) SPI - Quad I/O, QPI, DTR 133 MHz 8-SOIC", Capacity=128Mb, LCSC Part #=C97521, Package="SOIC-8 Winbond", Design Item ID=W25Q128JVSIQ, MF="Winbond Electronics", MP=W25Q128JVSIQ, Pin Count=8, Price=None
U5_P1 U5_P2: library part CMP-011-00013-1, "High Speed, Low-Side, Single Gate Driver", LCSC Part #=C2683769
U6: library part CMP-064-000000-3, "Single 2-input AND gate", LCSC Part #=C146362, Package=None, Availability=Unavailable, Component Type=Standard, Design Item ID=TC7S08FU,LF, MP=TC7S08FU,LF, Pin Count=5, Price=None
U7: library part CMP-010-00028-1, "IMU Accel/gyro/mag I2C 32 Bit"
U8: library part CMP-048-000000-2, "Pressure Sensor 4.35PSI ~ 18.13PSI (30kPa ~ 125kPa) Absolute 10-WFLGA", Manufacturer_Name=BOSCH, Mouser Part Number=262-BMP581, Datasheet Link=https://www.bosch-sensortec.com/media/boschsensortec/downloads/datasheets/bst-bmp581-ds004.pdf, Design Item ID=BMP581, Geometry.Height=0.8mm, Manufacturer_Part_Number=BMP581, Mouser Price/Stock=https://www.mouser.co.uk/ProductDetail/Bosch-Sensortec/BMP581?qs=Li%252BoUPsLEntPL9tlFmcgXg%3D%3D, Source=BMP581.SchLib
U11 U12: library part CMP-002-000000-1, "Intelligent control LED light source, SMD-4", LCSC Part #=C965555, Package=Package, Availability="Not in stock", Check_prices=https://www.snapeda.com/parts/WS2812-2020/Worldsemi/view-part/?ref=eda, Component Type=Standard, Design Item ID=WS2812-2020, MF=Worldsemi, MP=WS2812-2020, Pin Count=4, Price=None, SnapEDA_Link=https://www.snapeda.com/parts/WS2812-2020/Worldsemi/view-part/?ref=snap, Source=WS2812-2020.SchLib
Y1: library part CMP-003-00030-1, "Crystal 16MHz ±20ppm (Tol) ±30ppm (Stability) 8pF FUND 80Ohm Automotive 4-Pin SMD", LCSC Part #=C156247
Y2: library part CMP-003-00031-1, "Crystal 32.7680KHZ 7PF SMD", LCSC Part #=C280830

## Free pads (board coordinates)
  round 4 hole 3.2: M1(14,65) M2(58,65) M3(58,14) M4(14,14)

## Via types
v1: diameter 0.3, hole 0.2, Top Copper to Bottom Copper, tented both sides, 442 vias

## Nets (pads, with @x,y where several pads share a name; then routed paths per layer and width w, separated by ;. In a path a pad name is that pad's centre, name@x,y a point inside that pad or via, vN(x,y) a via of type N, cw(c..) or ccw(c..) an arc to the next point about the centre after c; other vN are vias at no path point)
5V: D1.1 J5.A4 J5.A9 J5.B4 J5.B9 | length 134
  Top Copper w0.254: J5.B9@44.75,16.891 J5.B9@44.773,16.868 ; v1@45.592,15.367 v1(45.593,15.367)
  Bottom Copper w0.254: D1.1@25.273,82.156 25.425,82.156 D1.1@25.756,82.486
  Bottom Copper w0.5: D1.1@25.273,82.156 25.273,83.729 37.556,96.012 56.134,96.012 61.341,90.805 61.341,61.722 60.198,60.579 60.198,20.066 56.896,16.764 54.991,16.764 52.705,14.478 49.53,14.478 v1(48.641,15.367) v1(48.133,15.367) v1(46.101,15.367) v1(45.593,15.367)
ANT: J7.1 U2.9 | length 12.6
  Bottom Copper w0.346: U2.9@17.146,20.94 17.146,17.491 ccw(c19.686,17.491) 19.686,14.951 J7.1@24.857,14.951
Bat_+: B1.1 C30.1 C31.2 J4.9 J4.10 R1.1 R2.1 R3.2 RT2.1 | length 9.8
  Bottom Copper w0.254: J4.9@14,77 16.232,77 ; 17.145,77.913 16.232,77 ; RT2.1@22.496,76.962 22.458,77 J4.10@21,77 16.232,77
  other v1: 18.415,64.897 18.923,64.897 22.352,64.897 22.86,64.897 18.415,65.405 18.923,65.405 22.352,65.405 22.86,65.405 18.415,65.913 18.923,65.913 22.352,65.913 22.86,65.913 18.415,66.421 18.923,66.421 22.352,66.421 22.86,66.421 18.415,66.929 18.923,66.929 22.352,66.929 22.86,66.929 33.528,67.056 34.036,67.056 34.544,67.056 33.528,67.532 34.036,67.532 34.544,67.532 33.528,68.008 34.036,68.008 34.544,68.008 33.528,68.485 34.036,68.485 34.544,68.485 33.528,68.961 34.036,68.961 34.544,68.961
BatReg_IN: B1.8 C32.2 D4.2 J3.1 J3.2 | length 0.2
  Bottom Copper w0.254: D4.2@22.964,80.554 D4.2@23.114,80.404
  other v1: 30.353,65.024 30.861,65.024 30.353,65.532 30.861,65.532 22.606,81.026 23.114,81.026 23.622,81.026 22.606,81.534 23.114,81.534 23.622,81.534
BUSY: U1.34 U2.16 | length 19.6
  Top Copper w0.254: v1@30.169,28.066 30.699,28.066 30.71,28.056 31.227,28.056 U1.34@33.114,29.943
  Bottom Copper w0.254: U2.16@17.146,34.94 21.956,34.94 28.829,28.067 v1(30.168,28.067)
Buzzer: R36.1 U1.98 | length 5.8
  Top Copper w0.254: U1.98@41.936,43.007 41.936,43.04 42.537,43.641 42.537,44.712 41.872,45.377 41.872,47.903 R36.1@42.164,48.195
DIO1: U1.33 U2.15 | length 20.2
  Top Copper w0.254: v1(29.695,27.328) 29.686,27.337 29.686,27.798 29.464,28.02 29.464,28.448 30.353,29.337 31.769,29.337 32.228,29.796 32.728,30.296 U1.33@32.761,30.296
  Bottom Copper w0.254: U2.15@17.146,32.94 18.246,32.94 23.858,27.328 v1(29.695,27.328)
"Flash CLK": U1.36 U4.6 | length 7.1
  Top Copper w0.254: U1.36@33.821,29.236 35.687,31.101 v1(35.687,34.476)
  Bottom Copper w0.254: v1(35.687,34.476) 35.687,34.889 35.85,35.052 U4.6@36.273,35.052
"Flash IO 0": U1.58 U4.5 | length 10.4
  Top Copper w0.254: v1(39.624,30.861) 39.624,30.851 43.704,26.771 U1.58@43.704,26.761
  Bottom Copper w0.254: U4.5@36.273,33.782 36.788,33.782 39.488,31.082 39.488,31.009 39.624,30.873 v1(39.624,30.861)
"Flash IO 1": U1.59 U4.2 | length 11.1
  Top Copper w0.254: v1(43.456,31.264) 43.456,27.748 44.057,27.147 U1.59@44.057,27.114
  Bottom Copper w0.254: v1(43.456,31.264) 45.212,33.02 45.212,35.052 44.161,36.103 44.161,36.159 44.125,36.195 U4.2@43.483,36.195
"Flash IO 2": U1.2 U4.3 | length 10.7
  Top Copper w0.254: U1.2@38.417,43.361 38.422,43.361 39.238,42.545 v1(39.243,42.545)
  Bottom Copper w0.254: v1(39.243,42.545) 39.497,42.291 39.497,38.523 42.968,35.052 U4.3@43.483,35.052
"Flash IO 3": U1.24 U4.7 | length 6.4
  Top Copper w0.254: U1.24@30.639,35.583 30.672,35.583 31.273,34.982 33.458,34.982 v1(34.671,36.195)
  Bottom Copper w0.254: v1(34.671,36.195) 34.683,36.195 34.81,36.322 U4.7@36.273,36.322
"Flash NCS": R13.1 U1.92 U4.1 | length 5.2
  Top Copper w0.254: v1(42.799,39.878) 43.05,39.878 U1.92@44.057,40.886
  Bottom Copper w0.254: v1(42.799,39.878) 43.688,39.878 43.942,39.624 43.867,39.624 43.544,39.301 43.544,39.213 43.483,39.152 U4.1@43.483,37.592